# KiCad board LightRail_Eval_Board_Routed.kicad_pcb (continued)
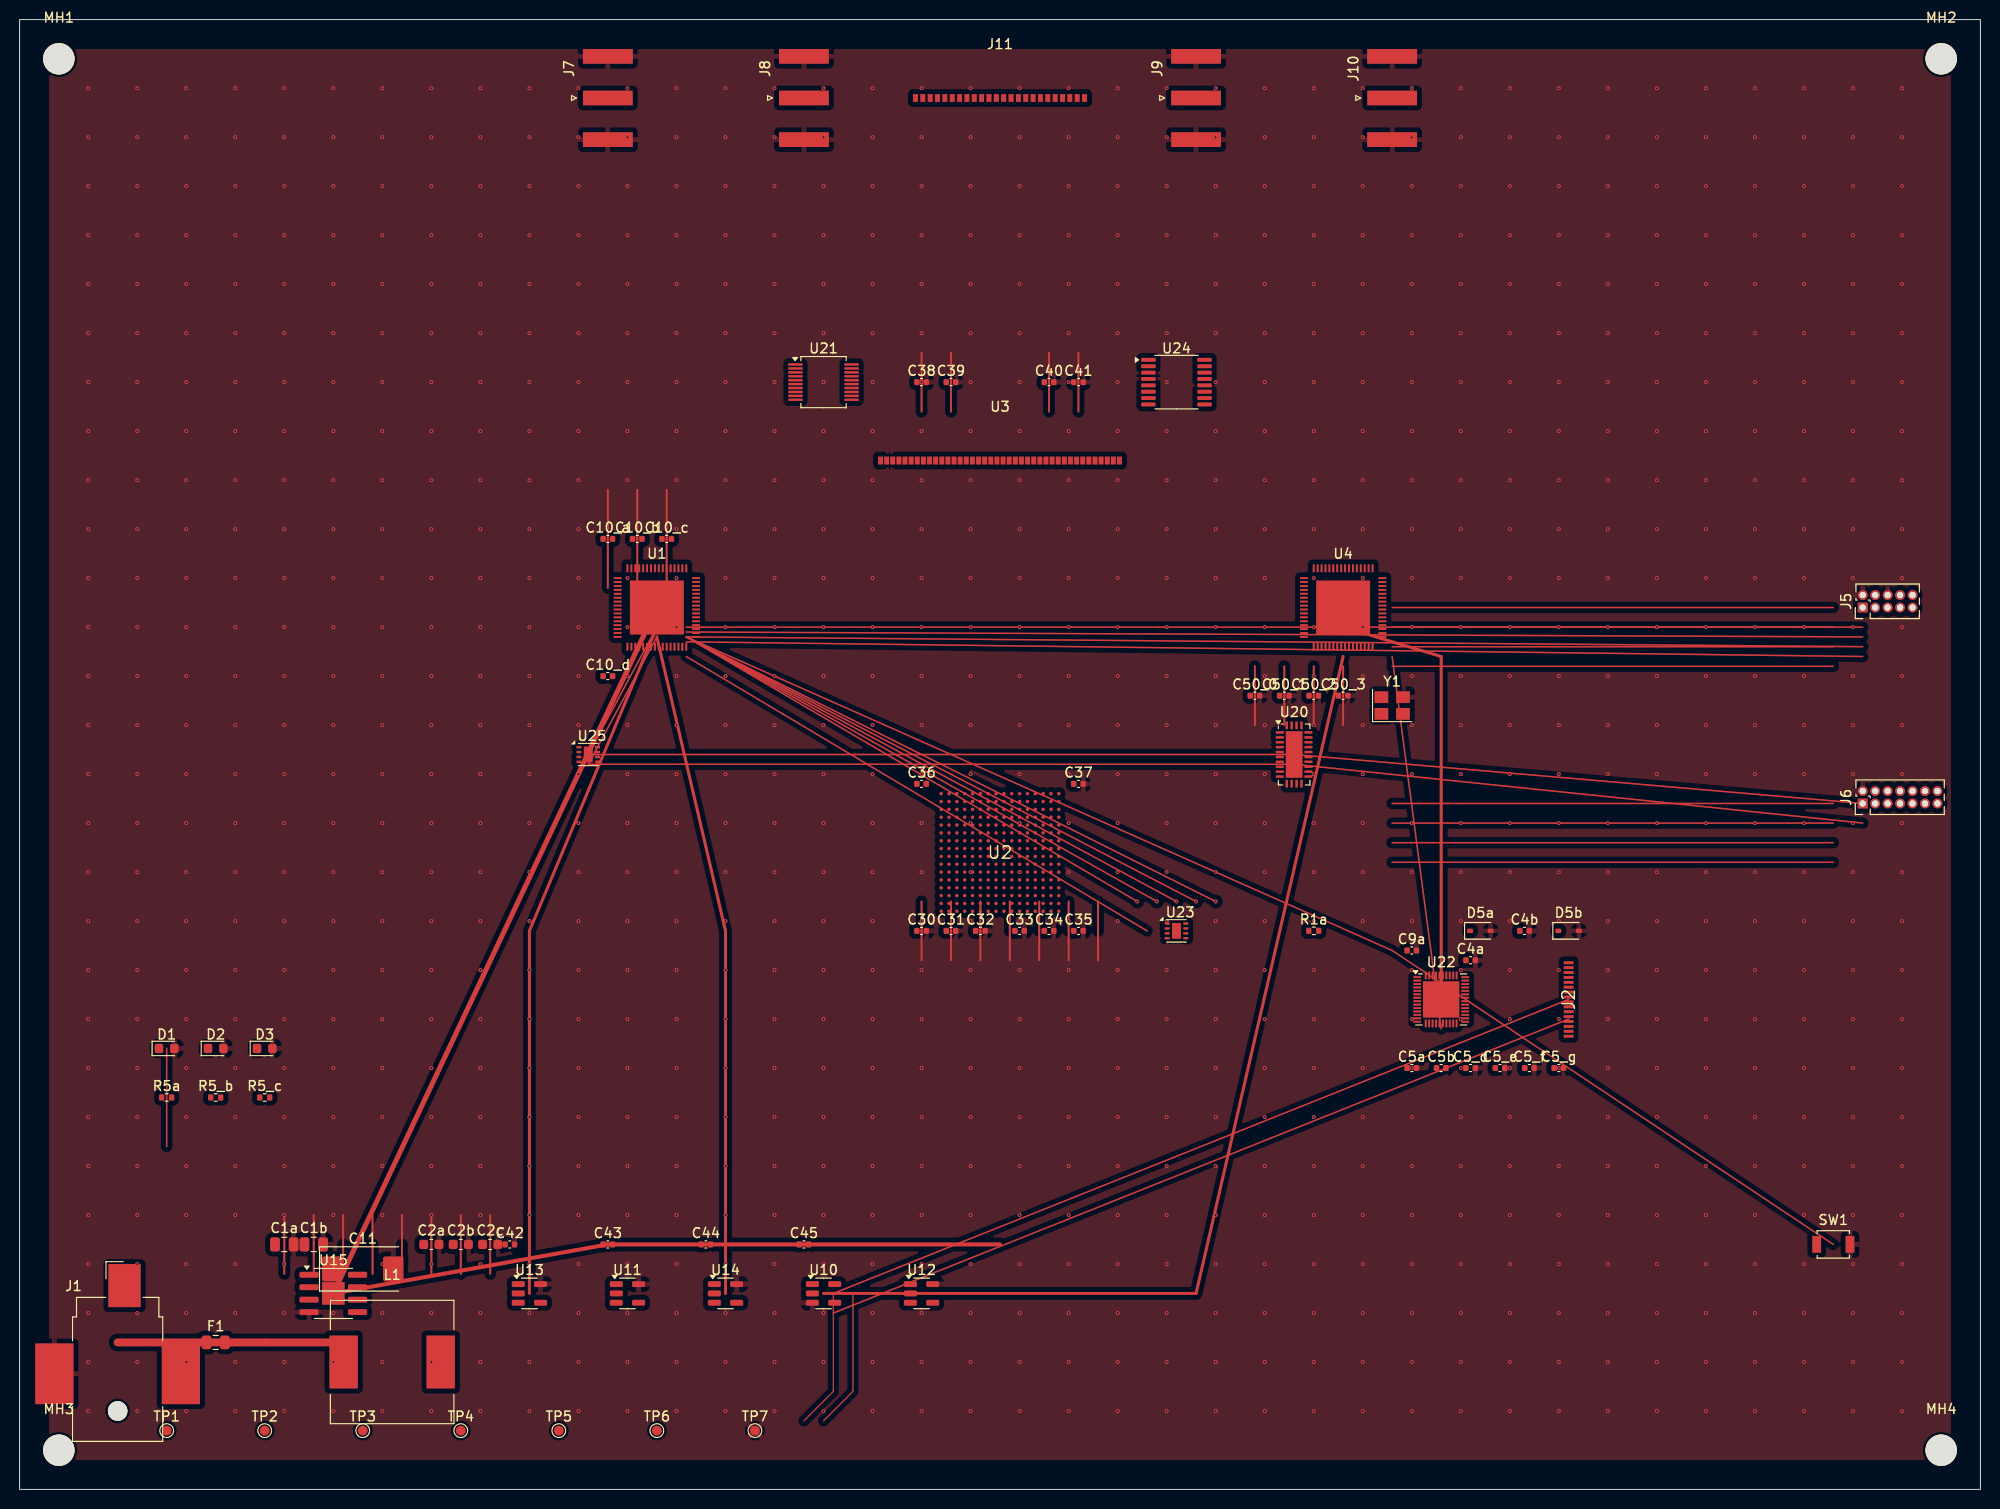
[diagram p0: board, top side]
## Nets
+0V9: C4b.1 C30.1 C31.1 C32.1 C33.1 TP6.1 U1.1 U1.2 U1.63 U4.1 U4.2 U4.63 U10.4
+1V0: C4a.1 C38.1 C39.1 C40.1 C41.1 TP5.1 U2.1 U2.2 U12.4
+1V8: C2b.1 C2c.1 C5b.1 C34.1 C35.1 C36.1 C37.1 C42.1 C43.1 C44.1 C45.1 C50_0.1 C50_1.1 C50_2.1 C50_3.1 TP4.1 U1.3 U1.4 U1.64 U2.3 U2.4 U3.1 U4.3 U4.4 U4.64 U10.1 U10.2 U11.4 U12.1 U12.2 U14.4 U20.2 U20.25 U20.26 U20.27
+3V3: C2a.1 C5_d.1 C5_e.1 C5_f.1 C5_g.1 C5a.1 J5.4 J6.1 R1a.1 R5a.1 TP3.1 U11.1 U11.2 U13.4 U14.1 U14.2 U20.1 U20.13 U21.1 U21.2 U21.17 U22.1 U22.2 U23.3 U23.7 U23.8 U24.1 U24.2 U24.13 U24.14 U25.1 Y1.1 Y1.2
+5V: C1b.1 L1.2 TP2.1 U13.1 U13.2
+5V_USB: J2.1
+12V: C1a.1 C11.1 F1.2 TP1.1 U15.2 U15.3
+12V_RAW: F1.1 J1.1
GND: C1a.2 C1b.2 C2a.2 C2b.2 C2c.2 C4a.2 C4b.2 C5_d.2 C5_e.2 C5_f.2 C5_g.2 C5a.2 C5b.2 C9a.2 C11.2 C30.2 C31.2 C32.2 C33.2 C34.2 C35.2 C36.2 C37.2 C38.2 C39.2 C40.2 C41.2 C42.2 C43.2 C44.2 C45.2 C50_0.2 C50_1.2 C50_2.2 C50_3.2 D1.2 D2.2 D3.2 D5a.2 D5b.2 J1.2 J2.8 J2.9 J5.2 J5.6 J6.2 J7.2 J8.2 J9.2 J10.2 SW1.2 TP7.1 U1.5 U1.6 U1.7 U1.8 U1.61 U1.62 U2.5 U2.6 U2.7 U2.8 U3.2 U3.3 U4.5 U4.6 U4.7 U4.8 U4.61 U4.62 U10.3 U11.5 U12.5 U13.5 U14.5 U15.4 U15.7 U20.3 U20.4 U20.6 U20.7 U20.8 U20.28 U21.3 U21.4 U21.18 U22.3 U22.4 U23.4 U24.3 U24.4 U24.12 U25.2 U25.6 U25.8 Y1.3
AXI_ACLK: U1.9 U2.9
AXI_ACLK_B: U4.9
AXI_ARADDR: U1.19
AXI_ARADDR_B: U4.19
AXI_ARESETN: U1.10 U2.10
AXI_ARESETN_B: U4.10
AXI_ARREADY: U1.21
AXI_ARREADY_B: U4.21
AXI_ARVALID: U1.20
AXI_ARVALID_B: U4.20
AXI_AWADDR: U1.11 U2.11
AXI_AWADDR_B: U4.11
AXI_AWREADY: U1.13
AXI_AWREADY_B: U4.13
AXI_AWVALID: U1.12 U2.12
AXI_AWVALID_B: U4.12
AXI_BRESP: U1.17
AXI_BRESP_B: U4.17
AXI_BVALID: U1.18
AXI_BVALID_B: U4.18
AXI_RDATA: U1.22 U2.15
AXI_RDATA_B: U4.22
AXI_RVALID: U1.23 U2.16
AXI_RVALID_B: U4.23
AXI_WDATA: U1.14 U2.13
AXI_WDATA_B: U4.14
AXI_WREADY: U1.16
AXI_WREADY_B: U4.16
AXI_WVALID: U1.15 U2.14
AXI_WVALID_B: U4.15
BOOT_5V: U15.1
CLK_12M: U22.11
CLK_12M_OUT: U22.12
CLK_100M: U20.5 Y1.4
CLK_100M_BUF: U20.23
CLK_100M_BUF_N: U20.24
CLK_CORE: U1.24 U2.25 U4.24 U20.15
CLK_CORE_N: U20.16
CLK_HBM: U20.21
CLK_HBM_N: U20.22
CLK_REF: U1.25 U2.26 U4.25 U20.17
CLK_REF_N: U20.18
CLK_SERDES: U20.19
CLK_SERDES_N: U20.20
COMP_5V: U15.6
DAC_V1: U3.12 U24.5
DAC_V2: U3.13 U24.6
DAC_V3: U3.14 U24.7
DAC_V4: U3.15 U24.8
FB_5V: U15.5
FLASH_CS: U2.20 U23.1
FLASH_MISO: U2.18 U23.2
FLASH_MOSI: U2.17 U23.5
FLASH_SCK: U2.19 U23.6
FPGA_GPIO0: J6.3 U2.29
FPGA_GPIO1: J6.4 U2.30
FPGA_GPIO2: J6.5 U2.31
FPGA_GPIO3: J6.6 U2.32
FT_PWREN: U22.21
FT_RXLED: R5_c.1 U22.23
FT_TXLED: R5_b.1 U22.22
HBM_DQ0: U1.41
HBM_DQ0_B: U4.41
HBM_DQ1: U1.42
HBM_DQ1_B: U4.42
HBM_DQ2: U1.43
HBM_DQ2_B: U4.43
HBM_DQ3: U1.44
HBM_DQ3_B: U4.44
HBM_DQ4: U1.45
HBM_DQ4_B: U4.45
HBM_DQ5: U1.46
HBM_DQ5_B: U4.46
HBM_DQ6: U1.47
HBM_DQ6_B: U4.47
HBM_DQ7: U1.48
HBM_DQ7_B: U4.48
I2C_SCL: J6.13 U1.49 U4.49 U20.10 U25.4
I2C_SDA: J6.14 U1.50 U4.50 U20.9 U25.3
JTAG_TCK: J5.1 U1.26 U2.21
JTAG_TCK_B: U4.26
JTAG_TDI: J5.9 U1.28 U2.23
JTAG_TDI_B: U4.28
JTAG_TDO: J5.3 U1.29 U2.24
JTAG_TDO_B: U4.29
JTAG_TMS: J5.5 U1.27 U2.22
JTAG_TMS_B: U4.27
JTAG_TRST: J5.10
LED_A: D1.1 R5a.2
LED_D2: D2.1 R5_b.2
LED_D3: D3.1 R5_c.2
MON_CH0: U3.25 U21.5
MON_CH1: U3.26 U21.6
MON_CH2: U3.27 U21.7
MON_CH3: U3.28 U21.8
MON_CH4: U3.29 U21.9
MON_CH5: U3.30 U21.10
MON_CH6: U3.31 U21.11
MON_CH7: U3.32 U21.12
NCE_GPIO0: U1.53
NCE_GPIO0_B: U4.53
NCE_GPIO1: U1.54
NCE_GPIO1_B: U4.54
NCE_GPIO2: U1.55
NCE_GPIO2_B: U4.55
NCE_GPIO3: U1.56
NCE_GPIO3_B: U4.56
NCE_PG: U1.58
NCE_PG_B: U4.58
NCE_STATUS: U1.59
NCE_STATUS_B: U4.59
NR_0V9: U10.5
NR_1V0: U12.3
NR_1V8: U11.3
NR_1V8F: U14.3
NR_3V3: U13.3
OPT_RX0: J11.5 U3.21
OPT_RX1: J11.6 U3.22
OPT_RX2: J11.7 U3.23
OPT_RX3: J11.8 U3.24
OPT_TX0: J11.1 U3.17
OPT_TX1: J11.2 U3.18
OPT_TX2: J11.3 U3.19
OPT_TX3: J11.4 U3.20
PLL_LOL: U20.12 U20.14
RESET_N: C9a.1 R1a.2 SW1.1 U1.60 U4.60 U20.11 U22.7
SMA_J7: C10_a.2 J7.1
SMA_J8: C10_b.2 J8.1
SMA_J9: C10_c.2 J9.1
SMA_J10: C10_d.2 J10.1
SPI_CLK: U1.30 U4.30 U21.13 U24.9
SPI_CS_ADC: U21.16
SPI_CS_DAC: U24.10
SPI_MISO: U1.32 U21.15
SPI_MISO_B: U4.32
SPI_MOSI: U1.31 U21.14 U24.11
SPI_MOSI_B: U4.31
SW_5V: L1.1 U15.8
TEMP_ALERT: U1.57 U25.5
TEMP_ALERT_B: U4.57
TEMP_DIODE: U3.16 U25.7
TFLN_TX_N0: C10_b.1 U1.34 U3.5
TFLN_TX_N0_B: U4.34
TFLN_TX_N1: C10_d.1 U1.36 U3.7
TFLN_TX_N1_B: U4.36
TFLN_TX_N2: U1.38 U3.9
TFLN_TX_N2_B: U4.38
TFLN_TX_N3: U1.40 U3.11
TFLN_TX_N3_B: U4.40
TFLN_TX_P0: C10_a.1 U1.33 U3.4
TFLN_TX_P0_B: U4.33
TFLN_TX_P1: C10_c.1 U1.35 U3.6
TFLN_TX_P1_B: U4.35
TFLN_TX_P2: U1.37 U3.8
TFLN_TX_P2_B: U4.37
TFLN_TX_P3: U1.39 U3.10
TFLN_TX_P3_B: U4.39
UART_CTS: U22.16
UART_RTS: U22.15
UART_RX: U1.52 U2.28 U22.14
UART_RX_B: U4.52
UART_TX: U1.51 U2.27 U22.13
UART_TX_B: U4.51
USB_DN: D5b.1 J2.5 U22.6
USB_DP: D5a.1 J2.4 U22.5

Pads without a net: J1 3; J2 2 3 6 7 10 11 12 13 14 15 16; J5 7 8; J6 7 8 9 10 11 12; J11 9 10 11 12 13 14 15 16 17 18 19 20 21 22 23 24; U1 65; U2 33 34 35 36 37 38 39 40 41 42 43 44 45 46 47 48 49 50 51 52 53 54 55 56 57 58 59 60 61 62 63 64 65 66 67 68 69 70 71 72 73 74 75 76 77 78 79 80 81 82 83 84 85 86 87 88 89 90 91 92 93 94 95 96 97 98 99 100 101 102 103 104 105 106 107 108 109 110 111 112 113 114 115 116 117 118 119 120 121 122 123 124 125 126 127 128 129 130 131 132 133 134 135 136 137 138 139 140 141 142 143 144 145 146 147 148 149 150 151 152 153 154 155 156 157 158 159 160 161 162 163 164 165 166 167 168 169 170 171 172 173 174 175 176 177 178 179 180 181 182 183 184 185 186 187 188 189 190 191 192 193 194 195 196 197 198 199 200 201 202 203 204 205 206 207 208 209 210 211 212 213 214 215 216 217 218 219 220 221 222 223 224 225 226 227 228 229 230 231 232 233 234 235 236 237 238 239 240 241 242 243 244 245 246 247 248 249 250 251 252 253 254 255 256; U3 33 34 35 36 37 38 39 40; U4 65; U15 9; U20 29; U21 19 20; U22 8 9 10 17 18 19 20 24 25 26 27 28 29 30 31 32 33 34 35 36 37 38 39 40 41 42 43 44 45 46 47 48 49; U23 9; U24 15 16; U25 9

## Via types
v1: diameter 0.4, hole 0.2, Top to Bottom, 1069 vias

## Routing (per net, layer and track width the routed paths; a pad name or vN(x,y) marks a point on that pad's centre or on a via; arc(x,y) is an arc through that point)
+0V9: length 55.4
  Top w0.2: 66,97 66,92 ; 63,97 63,92
  Top w0.3: 145,50 145,85 135,88
+1V0: length 107.7
  Top w0.2: 135,81 135,84
  Top w0.3: 135,85 120,20 82,20
+1V8: length 88.6
  Top w0.2: 33,25 33,22 ; 45,25 45,22 ; 39,25 39,22 ; 42,25 42,22 ; 36,25 36,22 ; 48,25 48,22
  Top w0.3: 52,20 52,57 65,88
+3V3: length 94.8
  Top w0.2: 104,60 104,54 ; 101,60 101,54 ; 110,57 110,60 ; 95,60 95,54 ; 98,54 98,60
  Top w0.3: 72,20 72,57 65,87
+5V: length 68.4
  Top w0.4: 100,25 60,25 32,20
  vias: v1(42,13)
+12V: length 77.4
  Top w0.5: 32,20 65,90
+12V_RAW: length 22
  Top w0.8: 32,15 10,15
  vias: v1(12,23)
GND: length 284.4
  Top w0.2: 110,57 110,54 ; 92,54 92,60 ; 66,97 66,102 ; 63,97 63,102 ; 129,78 129,84 ; v1(27,28) 27,22 ; 95,116 95,110 ; 33,25 33,28 ; 105,116 105,110 ; 132,84 v1(132,78) ; 45,25 45,28 ; 36,25 36,28 ; 92,116 v1(92,113) 92,110 ; 126,84 126,78 ; 135,81 135,78 ; 39,25 39,28 ; 42,25 v1(42,28) ; 107,54 107,60 ; 60,102 60,92 ; 108,116 108,110 ; 48,25 48,28
  In6.Cu (L7 TFLN/HBM) w0.12: 100,100 90,102 83,104 ; 83,105.5 90,103.5 100,101.5 ; 83,109 90,107 100,105 ; 83,100.5 90,98.5 100,96.5
  In9.Cu (L10 CLK) w0.12: 130,85 135,85 140,83 140,78 120,78 105,65 ; 130,87 135,87 140,85 140,80 120,80 105,67
  vias: v1(7,143) v1(7,138) v1(7,133) v1(7,128) v1(7,123) v1(7,118) v1(7,113) v1(7,108) v1(7,103) v1(7,98) v1(7,93) v1(7,88) v1(7,83) v1(7,78) v1(7,73) v1(7,68) v1(7,63) v1(7,58) v1(7,53) v1(7,48) v1(7,43) v1(7,38) v1(7,33) v1(7,28) v1(7,23) v1(7,18) v1(7,13) v1(7,8) v1(12,143) v1(12,138) v1(12,133) v1(12,128) v1(12,123) v1(12,118) v1(12,113) v1(12,108) v1(12,103) v1(12,98) v1(12,93) v1(12,88) v1(12,83) v1(12,78) v1(12,73) v1(12,68) v1(12,63) v1(12,58) v1(12,53) v1(12,48) v1(12,43) v1(12,38) v1(12,33) v1(12,28) v1(12,18) v1(12,13) v1(12,8) v1(17,143) v1(17,138) v1(17,133) v1(17,128) v1(17,123) v1(17,118) v1(17,113) v1(17,108) v1(17,103) v1(17,98) v1(17,93) v1(17,88) v1(17,83) v1(17,78) v1(17,73) v1(17,68) v1(17,63) v1(17,58) v1(17,53) v1(17,48) v1(17,43) v1(17,38) v1(17,33) v1(17,28) v1(17,23) v1(17,18) v1(17,13) v1(17,8) v1(22,143) v1(22,138) v1(22,133) v1(22,128) v1(22,123) v1(22,118) v1(22,113) v1(22,108) v1(22,103) v1(22,98) v1(22,93) v1(22,88) v1(22,83) v1(22,78) v1(22,73) v1(22,68) v1(22,63) v1(22,58) v1(22,53) v1(22,48) v1(22,43) v1(22,38) v1(22,33) v1(22,28) v1(22,23) v1(22,18) v1(22,13) v1(22,8) v1(27,143) v1(27,138) v1(27,133) v1(27,128) v1(27,123) v1(27,118) v1(27,113) v1(27,108) v1(27,103) v1(27,98) v1(27,93) v1(27,88) v1(27,83) v1(27,78) v1(27,73) v1(27,68) v1(27,63) v1(27,58) v1(27,53) v1(27,48) v1(27,43) v1(27,38) v1(27,33) v1(27,23) v1(27,18) v1(27,13) v1(27,8) v1(32,143) v1(32,138) v1(32,133) v1(32,128) v1(32,123) v1(32,118) v1(32,113) v1(32,108) v1(32,103) v1(32,98) v1(32,93) v1(32,88) v1(32,83) v1(32,78) v1(32,73) v1(32,68) v1(32,63) v1(32,58) v1(32,53) v1(32,48) v1(32,43) v1(32,38) v1(32,33) v1(32,28) v1(32,23) v1(32,18) v1(32,13) v1(32,8) v1(37,143) v1(37,138) v1(37,133) v1(37,128) v1(37,123) v1(37,118) v1(37,113) v1(37,108) v1(37,103) v1(37,98) v1(37,93) v1(37,88) v1(37,83) v1(37,78) v1(37,73) v1(37,68) v1(37,63) v1(37,58) v1(37,53) v1(37,48) v1(37,43) v1(37,38) v1(37,33) v1(37,28) v1(37,23) v1(37,18) v1(37,13) v1(37,8) v1(42,143) v1(42,138) v1(42,133) v1(42,128) v1(42,123) v1(42,118) v1(42,113) v1(42,108) v1(42,103) v1(42,98) v1(42,93) v1(42,88) v1(42,83) v1(42,78) v1(42,73) v1(42,68) v1(42,63) v1(42,58) v1(42,53) v1(42,48) v1(42,43) v1(42,38) v1(42,33) v1(42,23) v1(42,18) v1(42,8) v1(47,143) v1(47,138) v1(47,133) v1(47,128) v1(47,123) v1(47,118) v1(47,113) v1(47,108) v1(47,103) v1(47,98) v1(47,93) v1(47,88) v1(47,83) v1(47,78) v1(47,73) v1(47,68) v1(47,63) v1(47,58) v1(47,53) v1(47,48) v1(47,43) v1(47,38) v1(47,33) v1(47,28) v1(47,23) v1(47,18) v1(47,13) v1(47,8) v1(52,143) v1(52,138) v1(52,133) v1(52,128) v1(52,123) v1(52,118) v1(52,113) v1(52,108) v1(52,103) v1(52,98) v1(52,93) v1(52,88) v1(52,83) v1(52,78) v1(52,73) v1(52,68) v1(52,63) v1(52,58) v1(52,53) v1(52,48) v1(52,43) v1(52,38) v1(52,33) v1(52,28) v1(52,23) v1(52,18) v1(52,13) v1(52,8) v1(57,143) v1(57,138) v1(57,133) v1(57,128) v1(57,123) v1(57,118) v1(57,113) v1(57,108) v1(57,103) v1(57,98) v1(57,93) v1(57,88) v1(57,83) v1(57,78) v1(57,73) v1(57,68) v1(57,63) v1(57,58) v1(57,53) v1(57,48) v1(57,43) v1(57,38) v1(57,33) v1(57,28) v1(57,23) v1(57,18) v1(57,13) v1(57,8) v1(62,143) v1(62,138) v1(62,133) v1(62,128) v1(62,123) v1(62,118) v1(62,113) v1(62,108) v1(62,103) v1(62,98) v1(62,93) v1(62,88) v1(62,83) v1(62,78) v1(62,73) v1(62,68) v1(62,63) v1(62,58) v1(62,53) v1(62,48) v1(62,43) v1(62,38) v1(62,33) v1(62,28) v1(62,23) v1(62,18) v1(62,13) v1(62,8) v1(67,143) v1(67,138) v1(67,133) v1(67,128) v1(67,123) v1(67,118) v1(67,113) v1(67,108) v1(67,103) v1(67,98) v1(67,93) v1(67,88) v1(67,83) v1(67,78) v1(67,73) v1(67,68) v1(67,63) v1(67,58) v1(67,53) v1(67,48) v1(67,43) v1(67,38) v1(67,33) v1(67,28) v1(67,23) v1(67,18) v1(67,13) v1(67,8) v1(72,143) v1(72,138) v1(72,133) v1(72,128) v1(72,123) v1(72,118) v1(72,113) v1(72,108) v1(72,103) v1(72,98) v1(72,93) v1(72,88) v1(72,83) v1(72,78) v1(72,73) v1(72,68) v1(72,63) v1(72,58) v1(72,53) v1(72,48) v1(72,43) v1(72,38) v1(72,33) v1(72,28) v1(72,23) v1(72,18) v1(72,13) v1(72,8) v1(77,143) v1(77,138) v1(77,133) v1(77,128) v1(77,123) v1(77,118) v1(77,113) v1(77,108) v1(77,103) v1(77,98) v1(77,93) v1(77,88) v1(77,83) v1(77,78) v1(77,73) v1(77,68) v1(77,63) v1(77,58) v1(77,53) v1(77,48) v1(77,43) v1(77,38) v1(77,33) v1(77,28) v1(77,23) v1(77,18) v1(77,13) v1(77,8) v1(82,143) v1(82,138) v1(82,133) v1(82,128) v1(82,123) v1(82,118) v1(82,113) v1(82,108) v1(82,103) v1(82,98) v1(82,93) v1(82,88) v1(82,83) v1(82,78) v1(82,73) v1(82,68) v1(82,63) v1(82,58) v1(82,53) v1(82,48) v1(82,43) v1(82,38) v1(82,33) v1(82,28) v1(82,23) v1(82,18) v1(82,13) v1(82,8) v1(87,143) v1(87,138) v1(87,133) v1(87,128) v1(87,123) v1(87,118) v1(87,113) v1(87,108) v1(87,103) v1(87,98) v1(87,93) v1(87,88) v1(87,83) v1(87,78) v1(87,73) v1(87,68) v1(87,63) v1(87,58) v1(87,53) v1(87,48) v1(87,43) v1(87,38) v1(87,33) v1(87,28) v1(87,23) v1(87,18) v1(87,13) v1(87,8) v1(92,143) v1(92,138) v1(92,133) v1(92,128) v1(92,123) v1(92,118) v1(92,108) v1(92,103) v1(92,98) v1(92,93) v1(92,88) v1(92,83) v1(92,78) v1(92,73) v1(92,68) v1(92,63) v1(92,58) v1(92,53) v1(92,48) v1(92,43) v1(92,38) v1(92,33) v1(92,28) v1(92,23) v1(92,18) v1(92,13) v1(92,8) v1(97,143) v1(97,138) v1(97,133) v1(97,128) v1(97,123) v1(97,118) v1(97,113) v1(97,108) v1(97,93) v1(97,88) v1(97,83) v1(97,78) v1(97,73) v1(97,68) v1(97,63) v1(97,58) v1(97,53) v1(97,48) v1(97,43) v1(97,38) v1(97,33) v1(97,28) v1(97,23) v1(97,18) v1(97,13) v1(97,8) v1(102,143) v1(102,138) v1(102,133) v1(102,128) v1(102,123) v1(102,118) v1(102,113) v1(102,108) v1(102,93) v1(102,88) v1(102,83) v1(102,78) v1(102,73) v1(102,68) v1(102,63) v1(102,58) v1(102,53) v1(102,48) v1(102,43) v1(102,38) v1(102,33) v1(102,28) v1(102,23) v1(102,18) v1(102,13) v1(102,8) v1(107,143) v1(107,138) v1(107,133) v1(107,123) v1(107,118) v1(107,113) v1(107,108) v1(107,93) v1(107,88) v1(107,83) v1(107,73) v1(107,68) v1(107,63) v1(107,58) v1(107,53) v1(107,48) v1(107,43) v1(107,38) v1(107,33) v1(107,28) v1(107,23) v1(107,18) v1(107,13) v1(107,8) v1(112,143) v1(112,138) v1(112,133) v1(112,128) v1(112,123) v1(112,118) v1(112,113) v1(112,108) v1(112,103) v1(112,98) v1(112,93) v1(112,88) v1(112,83) v1(112,73) v1(112,68) v1(112,63) v1(112,58) v1(112,53) v1(112,48) v1(112,43) v1(112,38) v1(112,33) v1(112,28) v1(112,23) v1(112,18) v1(112,13) v1(112,8) v1(117,143) v1(117,138) v1(117,133) v1(117,128) v1(117,123) v1(117,118) v1(117,113) v1(117,98) v1(117,93) v1(117,88) v1(117,83) v1(117,73) v1(117,68) v1(117,63) v1(117,53) v1(117,48) v1(117,43) v1(117,38) v1(117,33) v1(117,28) v1(117,23) v1(117,18) v1(117,13) v1(117,8) v1(122,143) v1(122,138) v1(122,133) v1(122,128) v1(122,123) v1(122,118) v1(122,113) v1(122,108) v1(122,103) v1(122,98) v1(122,93) v1(122,88) v1(122,78) v1(122,73) v1(122,68) v1(122,63) v1(122,58) v1(122,53) v1(122,48) v1(122,43) v1(122,38) v1(122,33) v1(122,28) v1(122,23) v1(122,18) v1(122,13) v1(122,8) v1(127,143) v1(127,138) v1(127,133) v1(127,128) v1(127,123) v1(127,118) v1(127,113) v1(127,108) v1(127,103) v1(127,98) v1(127,93) v1(127,88) v1(127,83) v1(127,78) v1(127,73) v1(127,68) v1(127,63) v1(127,58) v1(127,53) v1(127,48) v1(127,43) v1(127,38) v1(127,33) v1(127,28) v1(127,23) v1(127,18) v1(127,13) v1(127,8) v1(132,143) v1(132,138) v1(132,133) v1(132,128) v1(132,123) v1(132,118) v1(132,113) v1(132,108) v1(132,103) v1(132,98) v1(132,93) v1(132,88) v1(132,83) v1(132,73) v1(132,68) v1(132,63) v1(132,58) v1(132,53) v1(132,48) v1(132,43) v1(132,38) v1(132,33) v1(132,28) v1(132,23) v1(132,18) v1(132,13) v1(132,8) v1(137,143) v1(137,138) v1(137,133) v1(137,128) v1(137,123) v1(137,118) v1(137,113) v1(137,108) v1(137,103) v1(137,98) v1(137,93) v1(137,88) v1(137,83) v1(137,78) v1(137,73) v1(137,68) v1(137,63) v1(137,58) v1(137,53) v1(137,48) v1(137,43) v1(137,38) v1(137,33) v1(137,28) v1(137,23) v1(137,18) v1(137,13) v1(137,8) v1(142,143) v1(142,138) v1(142,133) v1(142,128) v1(142,123) v1(142,118) v1(142,113) v1(142,108) v1(142,103) v1(142,98) v1(142,93) v1(142,88) v1(142,83) v1(142,78) v1(142,73) v1(142,68) v1(142,63) v1(142,58) v1(142,53) v1(142,43) v1(142,38) v1(142,33) v1(142,28) v1(142,23) v1(142,18) v1(142,13) v1(142,8) v1(147,143) v1(147,138) v1(147,133) v1(147,128) v1(147,123) v1(147,118) v1(147,113) v1(147,108) v1(147,103) v1(147,98) v1(147,93) v1(147,88) v1(147,83) v1(147,78) v1(147,73) v1(147,68) v1(147,63) v1(147,58) v1(147,53) v1(147,48) v1(147,43) v1(147,38) v1(147,33) v1(147,28) v1(147,23) v1(147,18) v1(147,13) v1(147,8) v1(152,143) v1(152,138) v1(152,133) v1(152,128) v1(152,123) v1(152,118) v1(152,113) v1(152,108) v1(152,103) v1(152,98) v1(152,93) v1(152,88) v1(152,83) v1(152,78) v1(152,73) v1(152,68) v1(152,63) v1(152,58) v1(152,53) v1(152,48) v1(152,43) v1(152,38) v1(152,33) v1(152,28) v1(152,23) v1(152,18) v1(152,13) v1(152,8) v1(157,143) v1(157,138) v1(157,133) v1(157,128) v1(157,123) v1(157,118) v1(157,113) v1(157,108) v1(157,103) v1(157,98) v1(157,93) v1(157,88) v1(157,83) v1(157,78) v1(157,73) v1(157,68) v1(157,63) v1(157,58) v1(157,53) v1(157,48) v1(157,43) v1(157,38) v1(157,33) v1(157,28) v1(157,23) v1(157,18) v1(157,13) v1(157,8) v1(162,143) v1(162,138) v1(162,133) v1(162,128) v1(162,123) v1(162,118) v1(162,113) v1(162,108) v1(162,103) v1(162,98) v1(162,93) v1(162,88) v1(162,83) v1(162,78) v1(162,73) v1(162,68) v1(162,63) v1(162,58) v1(162,53) v1(162,48) v1(162,43) v1(162,38) v1(162,33) v1(162,28) v1(162,23) v1(162,18) v1(162,13) v1(162,8) v1(167,143) v1(167,138) v1(167,133) v1(167,128) v1(167,123) v1(167,118) v1(167,113) v1(167,108) v1(167,103) v1(167,98) v1(167,93) v1(167,88) v1(167,83) v1(167,78) v1(167,73) v1(167,68) v1(167,63) v1(167,58) v1(167,53) v1(167,48) v1(167,43) v1(167,38) v1(167,33) v1(167,28) v1(167,23) v1(167,18) v1(167,13) v1(167,8) v1(172,143) v1(172,138) v1(172,133) v1(172,128) v1(172,123) v1(172,118) v1(172,113) v1(172,108) v1(172,103) v1(172,98) v1(172,93) v1(172,88) v1(172,83) v1(172,78) v1(172,73) v1(172,68) v1(172,63) v1(172,58) v1(172,53) v1(172,48) v1(172,43) v1(172,38) v1(172,33) v1(172,28) v1(172,23) v1(172,18) v1(172,13) v1(172,8) v1(177,143) v1(177,138) v1(177,133) v1(177,128) v1(177,123) v1(177,118) v1(177,113) v1(177,108) v1(177,103) v1(177,98) v1(177,93) v1(177,88) v1(177,83) v1(177,78) v1(177,73) v1(177,68) v1(177,63) v1(177,58) v1(177,53) v1(177,48) v1(177,43) v1(177,38) v1(177,33) v1(177,28) v1(177,23) v1(177,18) v1(177,13) v1(177,8) v1(182,143) v1(182,138) v1(182,133) v1(182,128) v1(182,123) v1(182,118) v1(182,113) v1(182,108) v1(182,103) v1(182,98) v1(182,93) v1(182,88) v1(182,83) v1(182,78) v1(182,73) v1(182,68) v1(182,63) v1(182,58) v1(182,53) v1(182,48) v1(182,43) v1(182,38) v1(182,33) v1(182,28) v1(182,23) v1(182,18) v1(182,13) v1(182,8) v1(187,143) v1(187,138) v1(187,133) v1(187,128) v1(187,123) v1(187,118) v1(187,113) v1(187,108) v1(187,103) v1(187,98) v1(187,93) v1(187,88) v1(187,83) v1(187,78) v1(187,73) v1(187,68) v1(187,63) v1(187,58) v1(187,53) v1(187,48) v1(187,43) v1(187,38) v1(187,33) v1(187,28) v1(187,23) v1(187,18) v1(187,13) v1(187,8) v1(192,143) v1(192,138) v1(192,133) v1(192,128) v1(192,123) v1(192,118) v1(192,113) v1(192,108) v1(192,103) v1(192,98) v1(192,93) v1(192,88) v1(192,83) v1(192,78) v1(192,73) v1(192,68) v1(192,63) v1(192,58) v1(192,53) v1(192,48) v1(192,43) v1(192,38) v1(192,33) v1(192,28) v1(192,23) v1(192,18) v1(192,13) v1(192,8)
AXI_ACLK: length 28
  In3.Cu (L4 AXI) w0.12: 70,89 98,89
AXI_ACLK_B: length 28
  In4.Cu (L5 AXI_B) w0.12: 102,89 130,89
AXI_ARADDR: length 28
  In3.Cu (L4 AXI) w0.12: 70,88.75 98,88.75
AXI_ARADDR_B: length 28
  In4.Cu (L5 AXI_B) w0.12: 102,88.75 130,88.75
AXI_ARESETN: length 28
  In3.Cu (L4 AXI) w0.12: 70,88.5 98,88.5
AXI_ARESETN_B: length 28
  In4.Cu (L5 AXI_B) w0.12: 102,88.5 130,88.5
AXI_ARREADY: length 28
  In3.Cu (L4 AXI) w0.12: 70,88.25 98,88.25
AXI_ARREADY_B: length 28
  In4.Cu (L5 AXI_B) w0.12: 102,88.25 130,88.25
AXI_ARVALID: length 28
  In3.Cu (L4 AXI) w0.12: 70,88 98,88
AXI_ARVALID_B: length 28
  In4.Cu (L5 AXI_B) w0.12: 102,88 130,88
AXI_AWADDR: length 28
  In3.Cu (L4 AXI) w0.12: 70,87.75 98,87.75
AXI_AWADDR_B: length 28
  In4.Cu (L5 AXI_B) w0.12: 102,87.75 130,87.75
AXI_AWREADY: length 28
  In3.Cu (L4 AXI) w0.12: 70,87.5 98,87.5
AXI_AWREADY_B: length 28
  In4.Cu (L5 AXI_B) w0.12: 102,87.5 130,87.5
AXI_AWVALID: length 28
  In3.Cu (L4 AXI) w0.12: 70,87.25 98,87.25
AXI_AWVALID_B: length 28
  In4.Cu (L5 AXI_B) w0.12: 102,87.25 130,87.25
AXI_BRESP: length 28
  In3.Cu (L4 AXI) w0.12: 70,87 98,87
AXI_BRESP_B: length 28
  In4.Cu (L5 AXI_B) w0.12: 102,87 130,87
AXI_BVALID: length 28
  In3.Cu (L4 AXI) w0.12: 70,86.75 98,86.75
AXI_BVALID_B: length 28
  In4.Cu (L5 AXI_B) w0.12: 102,86.75 130,86.75
AXI_RDATA: length 28
  In3.Cu (L4 AXI) w0.12: 70,86.5 98,86.5
AXI_RDATA_B: length 28
  In4.Cu (L5 AXI_B) w0.12: 102,86.5 130,86.5
AXI_RVALID: length 28
  In3.Cu (L4 AXI) w0.12: 70,86.25 98,86.25
AXI_RVALID_B: length 28
  In4.Cu (L5 AXI_B) w0.12: 102,86.25 130,86.25
AXI_WDATA: length 28
  In3.Cu (L4 AXI) w0.12: 70,86 98,86
AXI_WDATA_B: length 28
  In4.Cu (L5 AXI_B) w0.12: 102,86 130,86
AXI_WREADY: length 28
  In3.Cu (L4 AXI) w0.12: 70,85.75 98,85.75
AXI_WREADY_B: length 28
  In4.Cu (L5 AXI_B) w0.12: 102,85.75 130,85.75
AXI_WVALID: length 28
  In3.Cu (L4 AXI) w0.12: 70,85.5 98,85.5
AXI_WVALID_B: length 28
  In4.Cu (L5 AXI_B) w0.12: 102,85.5 130,85.5
BOOT_5V: length 6
  Top w0.2: 30,28 30,22
CLK_REF: length 10
  In9.Cu (L10 CLK) w0.12: 132,75 142,75
CLK_REF_N: length 10
  In9.Cu (L10 CLK) w0.12: 132,73 142,73
CLK_SERDES_N: length 24.2
  In9.Cu (L10 CLK) w0.12: 141,80 141,88 137,89 ; 141,78 141,86 137,87
FLASH_CS: length 54.7
  Top w0.15: 115,57 68,85
  vias: v1(117,58)
FPGA_GPIO0: length 120
  Top w0.15: 68,88 188,88
FPGA_GPIO1: length 120
  Top w0.15: 68,87.5 188,87
FPGA_GPIO2: length 120
  Top w0.15: 68,87 188,86
FPGA_GPIO3: length 120
  Top w0.15: 68,86.5 188,85
HBM_DQ0: length 48.1
  In6.Cu (L7 TFLN/HBM) w0.1: 135,90 100,75 100,65
  vias: v1(107,78)
HBM_DQ0_B: length 5
  In7.Cu (L8 TFLN_B/HBM_B) w0.1: 100,65 100,70
HBM_DQ1: length 48.1
  In6.Cu (L7 TFLN/HBM) w0.1: 101.5,65 101.5,75 136.5,90
HBM_DQ1_B: length 5
  In7.Cu (L8 TFLN_B/HBM_B) w0.1: 101.5,65 101.5,70
HBM_DQ2: length 48.1
  In6.Cu (L7 TFLN/HBM) w0.1: 138,90 103,75 103,65
  vias: v1(122,83)
HBM_DQ2_B: length 5
  In7.Cu (L8 TFLN_B/HBM_B) w0.1: 103,65 103,70
HBM_DQ3: length 48.1
  In6.Cu (L7 TFLN/HBM) w0.1: 104.5,65 104.5,75 139.5,90
  vias: v1(112,78)
HBM_DQ3_B: length 5
  In7.Cu (L8 TFLN_B/HBM_B) w0.1: 104.5,65 104.5,70
HBM_DQ4: length 48.1
  In6.Cu (L7 TFLN/HBM) w0.1: 106,65 106,75 141,90
HBM_DQ4_B: length 5
  In7.Cu (L8 TFLN_B/HBM_B) w0.1: 106,65 106,70
HBM_DQ5: length 48.1
  In6.Cu (L7 TFLN/HBM) w0.1: 107.5,65 107.5,75 142.5,90
HBM_DQ5_B: length 5
  In7.Cu (L8 TFLN_B/HBM_B) w0.1: 107.5,65 107.5,70
HBM_DQ6: length 48.1
  In6.Cu (L7 TFLN/HBM) w0.1: 144,90 109,75 109,65
HBM_DQ6_B: length 5
  In7.Cu (L8 TFLN_B/HBM_B) w0.1: 109,65 109,70
HBM_DQ7: length 48.1
  In6.Cu (L7 TFLN/HBM) w0.1: 145.5,90 110.5,75 110.5,65
  vias: v1(117,78)
HBM_DQ7_B: length 5
  In7.Cu (L8 TFLN_B/HBM_B) w0.1: 110.5,65 110.5,70
I2C_SCL: length 145
  Top w0.15: 188,70 130,75 58,75 65,88
I2C_SDA: length 145.1
  Top w0.15: 188,68 130,74 58,74 65,87
JTAG_TCK: length 45
  Top w0.15: 140,90 185,90
JTAG_TCK_B: length 45
  Top w0.15: 140,70 185,70
JTAG_TDI: length 45
  Top w0.15: 140,88 185,88
JTAG_TDI_B: length 45
  Top w0.15: 140,68 185,68
JTAG_TDO: length 45
  Top w0.15: 140,86 185,86
JTAG_TDO_B: length 45
  Top w0.15: 140,66 185,66
JTAG_TMS: length 45
  Top w0.15: 140,84 185,84
JTAG_TMS_B: length 45
  Top w0.15: 140,64 185,64
LED_A: length 10
  Top w0.15: 15,45 15,35
NCE_PG: length 38.3
  Top w0.15: 140,85 145,47
OPT_RX1: length 278.8
  In1.Cu (L2 Sig) w0.12: 100,125 140,142 100,125 ; 100,125 80,142 100,125 ; 100,125 60,142 100,125 ; 100,125 120,142 100,125
  vias: v1(107,128)
RESET_N: length 132.9
  Top w0.15: 68,87 140,55 185,25
SPI_CLK: length 56.8
  Top w0.15: 68,87 v1(118,60)
SPI_CS_ADC: length 53.3
  Top w0.15: 68,87 v1(114,60)
SPI_CS_DAC: length 60.4
  Top w0.15: 68,87 v1(122,60)
SPI_MISO: length 58.6
  Top w0.15: 68,87 v1(120,60)
SPI_MOSI: length 55.1
  Top w0.15: 68,87 v1(116,60)
TFLN_TX_N0: length 17.5
  In6.Cu (L7 TFLN/HBM) w0.12: 83,108 90,106 100,104
TFLN_TX_N0_B: length 17.5
  In7.Cu (L8 TFLN_B/HBM_B) w0.12: v1(117,108) 110,106 100,104
TFLN_TX_N1_B: length 17.5
  In7.Cu (L8 TFLN_B/HBM_B) w0.12: 100,101.5 110,103.5 117,105.5
  vias: v1(107,103)
TFLN_TX_N2: length 17.5
  In6.Cu (L7 TFLN/HBM) w0.12: 100,99 90,101 83,103
TFLN_TX_N2_B: length 17.5
  In7.Cu (L8 TFLN_B/HBM_B) w0.12: 100,99 110,101 v1(117,103)
TFLN_TX_N3_B: length 17.5
  In7.Cu (L8 TFLN_B/HBM_B) w0.12: 100,96.5 110,98.5 117,100.5
  vias: v1(107,98)
TFLN_TX_P0_B: length 17.5
  In7.Cu (L8 TFLN_B/HBM_B) w0.12: 117,109 110,107 100,105
TFLN_TX_P1: length 17.5
  In6.Cu (L7 TFLN/HBM) w0.12: 83,106.5 90,104.5 100,102.5
  vias: v1(97,103)
TFLN_TX_P1_B: length 17.5
  In7.Cu (L8 TFLN_B/HBM_B) w0.12: 117,106.5 110,104.5 100,102.5
  vias: v1(102,103)
TFLN_TX_P2_B: length 17.5
  In7.Cu (L8 TFLN_B/HBM_B) w0.12: 117,104 110,102 100,100
TFLN_TX_P3: length 17.5
  In6.Cu (L7 TFLN/HBM) w0.12: 100,97.5 90,99.5 83,101.5
  vias: v1(97,98)
TFLN_TX_P3_B: length 17.5
  In7.Cu (L8 TFLN_B/HBM_B) w0.12: 117,101.5 110,99.5 100,97.5
  vias: v1(102,98)
UART_RX: length 80.8
  Top w0.15: 83,18 158,48
UART_TX: length 80.8
  Top w0.15: 83,20 158,50
  vias: v1(142,48)
USB_DN: length 14.2
  Top w0.12: 82,7 85,10 85,20
USB_DP: length 14.2
  Top w0.12: 83,20 83,10 80,7

## Copper pours and planes (outline as drawn; the poured copper is in the pictures)
+0V9 on In10.Cu (L11 PWR 0V9): 1.5,148.5 198.5,148.5 198.5,1.5 1.5,1.5
+0V9 on In10.Cu (L11 PWR 0V9): 3,147 197,147 197,3 3,3
+1V8 on In12.Cu (L13 PWR 1V8): 3,147 197,147 197,3 3,3
+1V8 on In12.Cu (L13 PWR 1V8): 1.5,148.5 198.5,148.5 198.5,1.5 1.5,1.5
+3V3 on In13.Cu (L14 PWR 3V3): 1.5,148.5 198.5,148.5 198.5,1.5 1.5,1.5
+3V3 on In13.Cu (L14 PWR 3V3): 3,147 197,147 197,3 3,3
GND on Top: 3,147 197,147 197,3 3,3
GND on Bottom: 3,147 197,147 197,3 3,3
GND on In2.Cu (L3 GND): 3,147 197,147 197,3 3,3
GND on In2.Cu (L3 GND): 1.5,148.5 198.5,148.5 198.5,1.5 1.5,1.5
GND on In5.Cu (L6 GND): 1.5,148.5 198.5,148.5 198.5,1.5 1.5,1.5
GND on In5.Cu (L6 GND): 3,147 197,147 197,3 3,3
GND on In8.Cu (L9 GND): 3,147 197,147 197,3 3,3
GND on In8.Cu (L9 GND): 1.5,148.5 198.5,148.5 198.5,1.5 1.5,1.5
GND on In11.Cu (L12 GND center): 3,147 197,147 197,3 3,3
GND on In11.Cu (L12 GND center): 1.5,148.5 198.5,148.5 198.5,1.5 1.5,1.5
GND on In14.Cu (L15 GND): 3,147 197,147 197,3 3,3
GND on In14.Cu (L15 GND): 1.5,148.5 198.5,148.5 198.5,1.5 1.5,1.5
GND on In20.Cu (L21 GND): 1.5,148.5 198.5,148.5 198.5,1.5 1.5,1.5
GND on In20.Cu (L21 GND): 3,147 197,147 197,3 3,3
